# Altium PCB V5_BASE_X1.PcbDoc (part 1 of 2)
Units mm, origin at the board's own origin, x right, y up, seen from the top; angles counter-clockwise.
Board outline 72 x 39 mm, 6 copper layers (Top Layer, S1, POWER, GND, S2, Bottom Layer), stack 1.177 mm thick; 115 components, 155 nets, 600 pads, 352 vias.
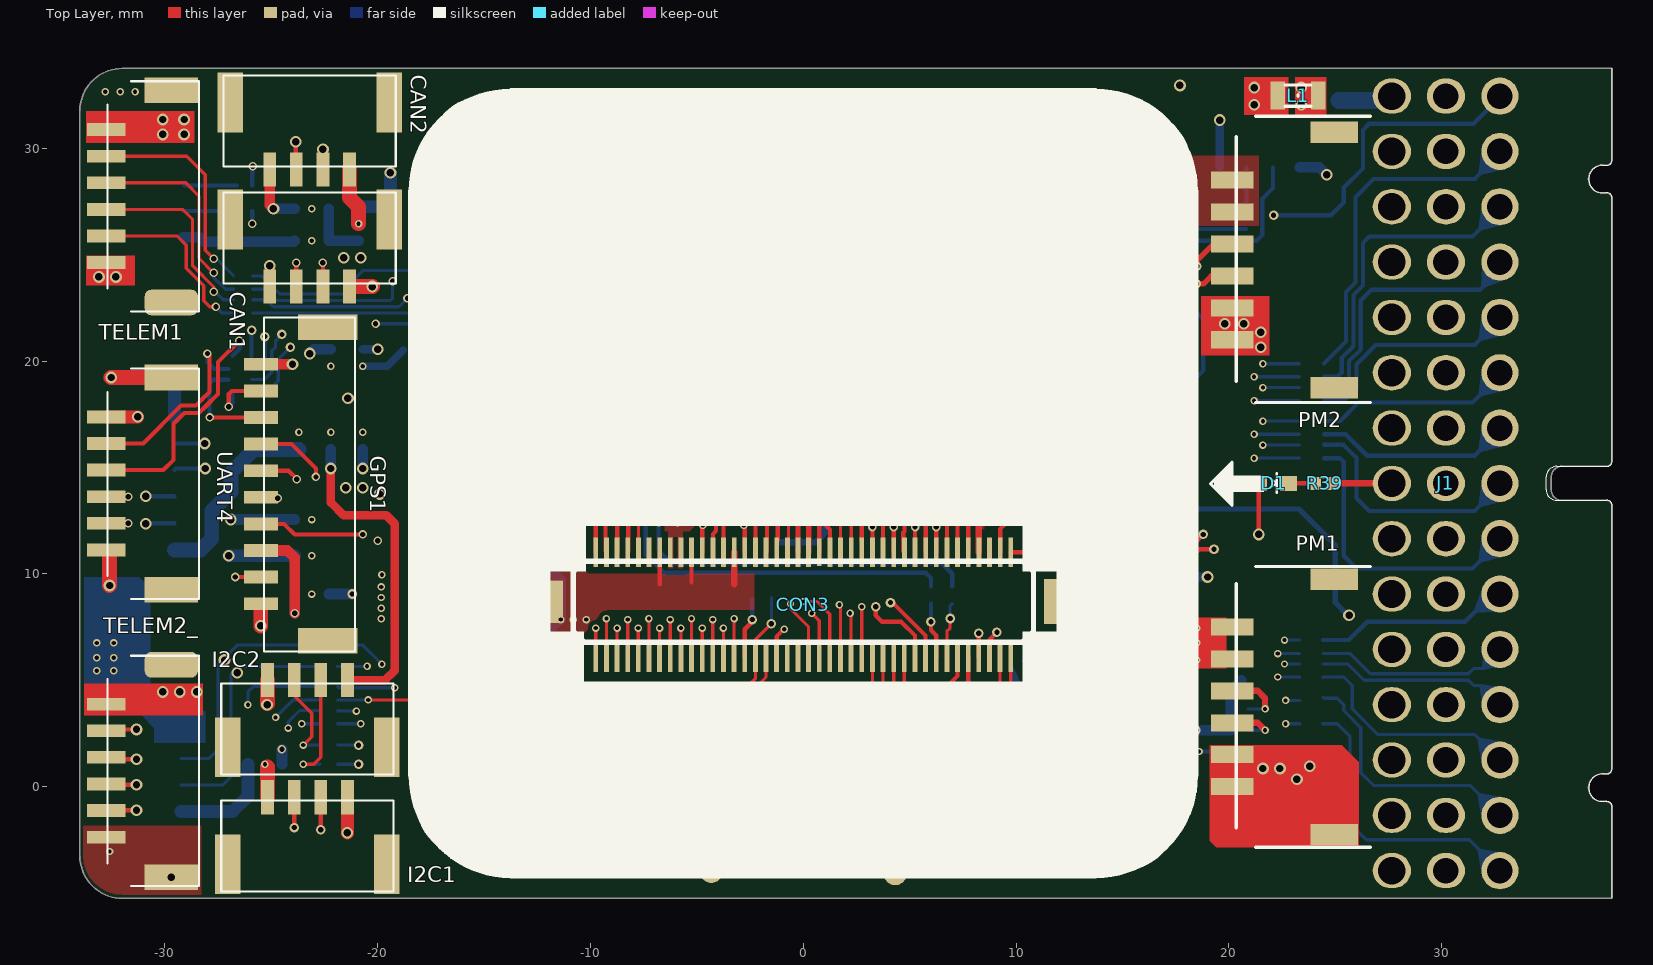
[diagram p0: Top Layer view]
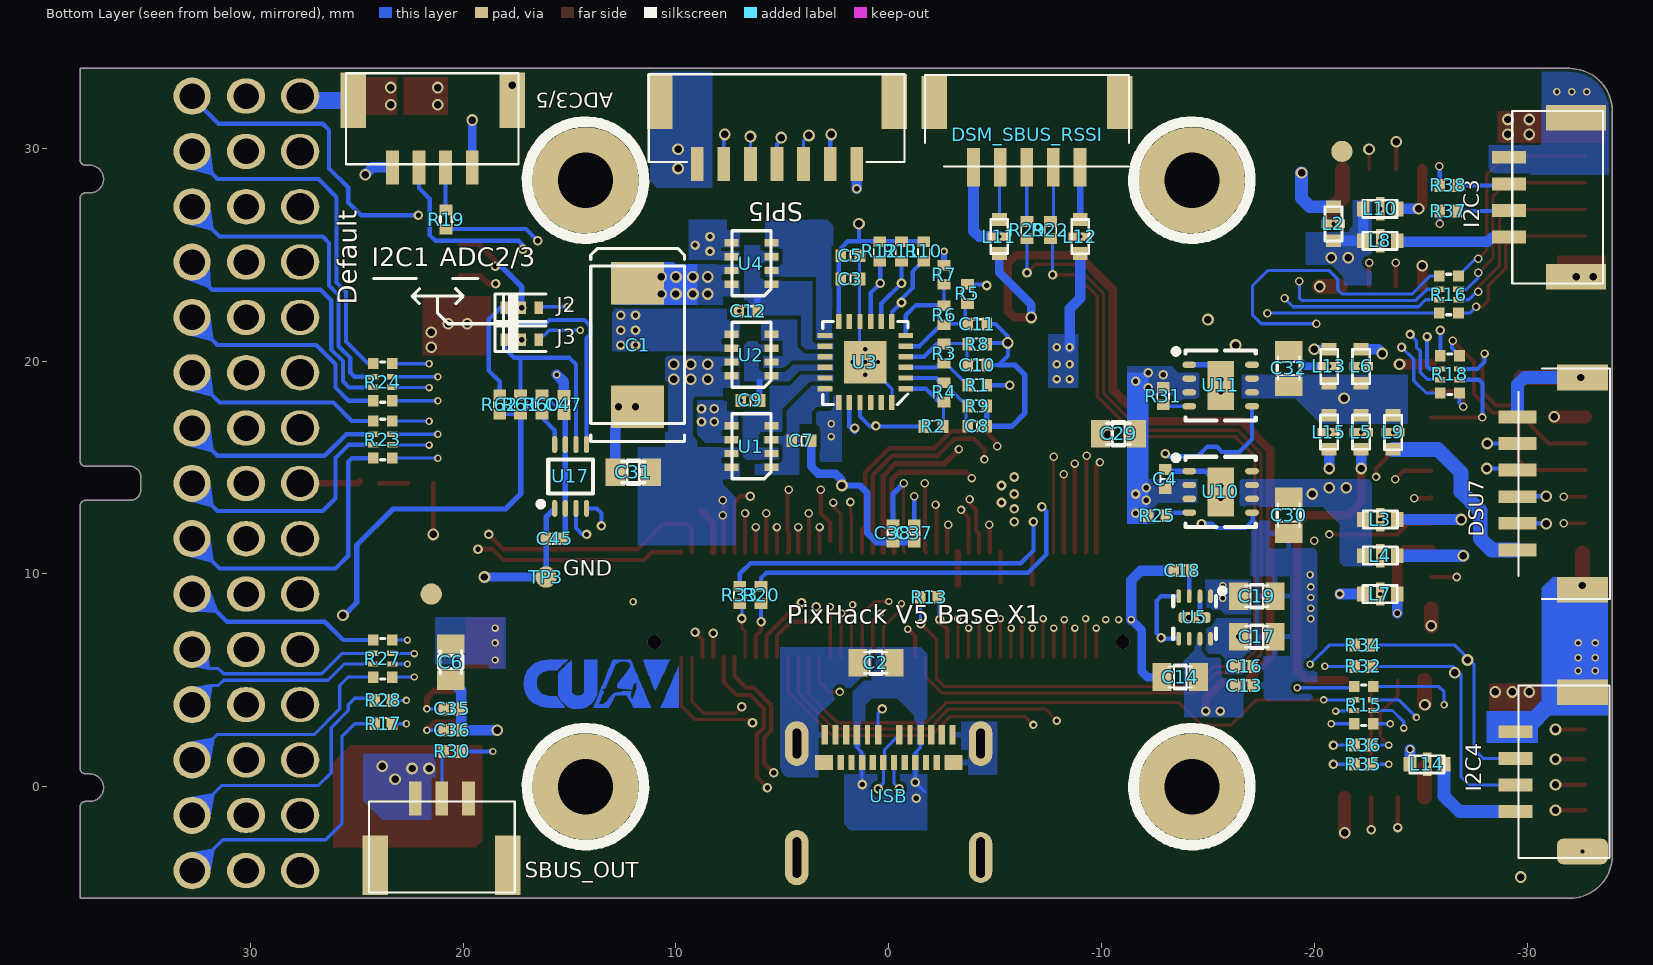
[diagram p1: Bottom Layer view, seen from below]
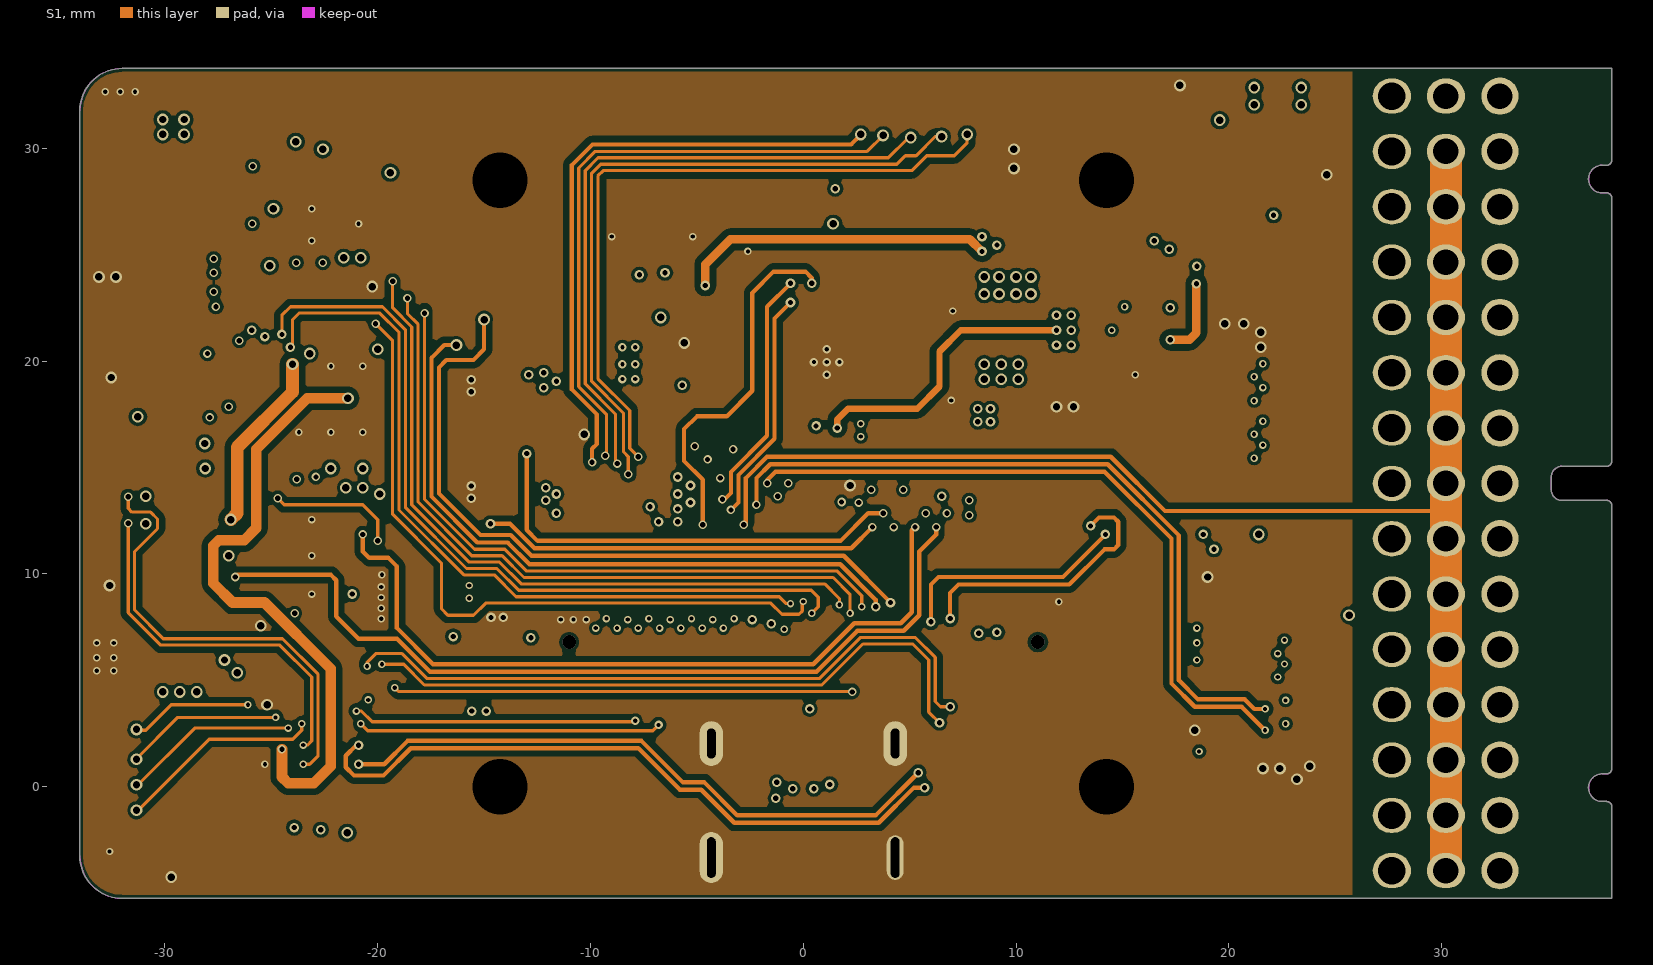
[diagram p2: S1]
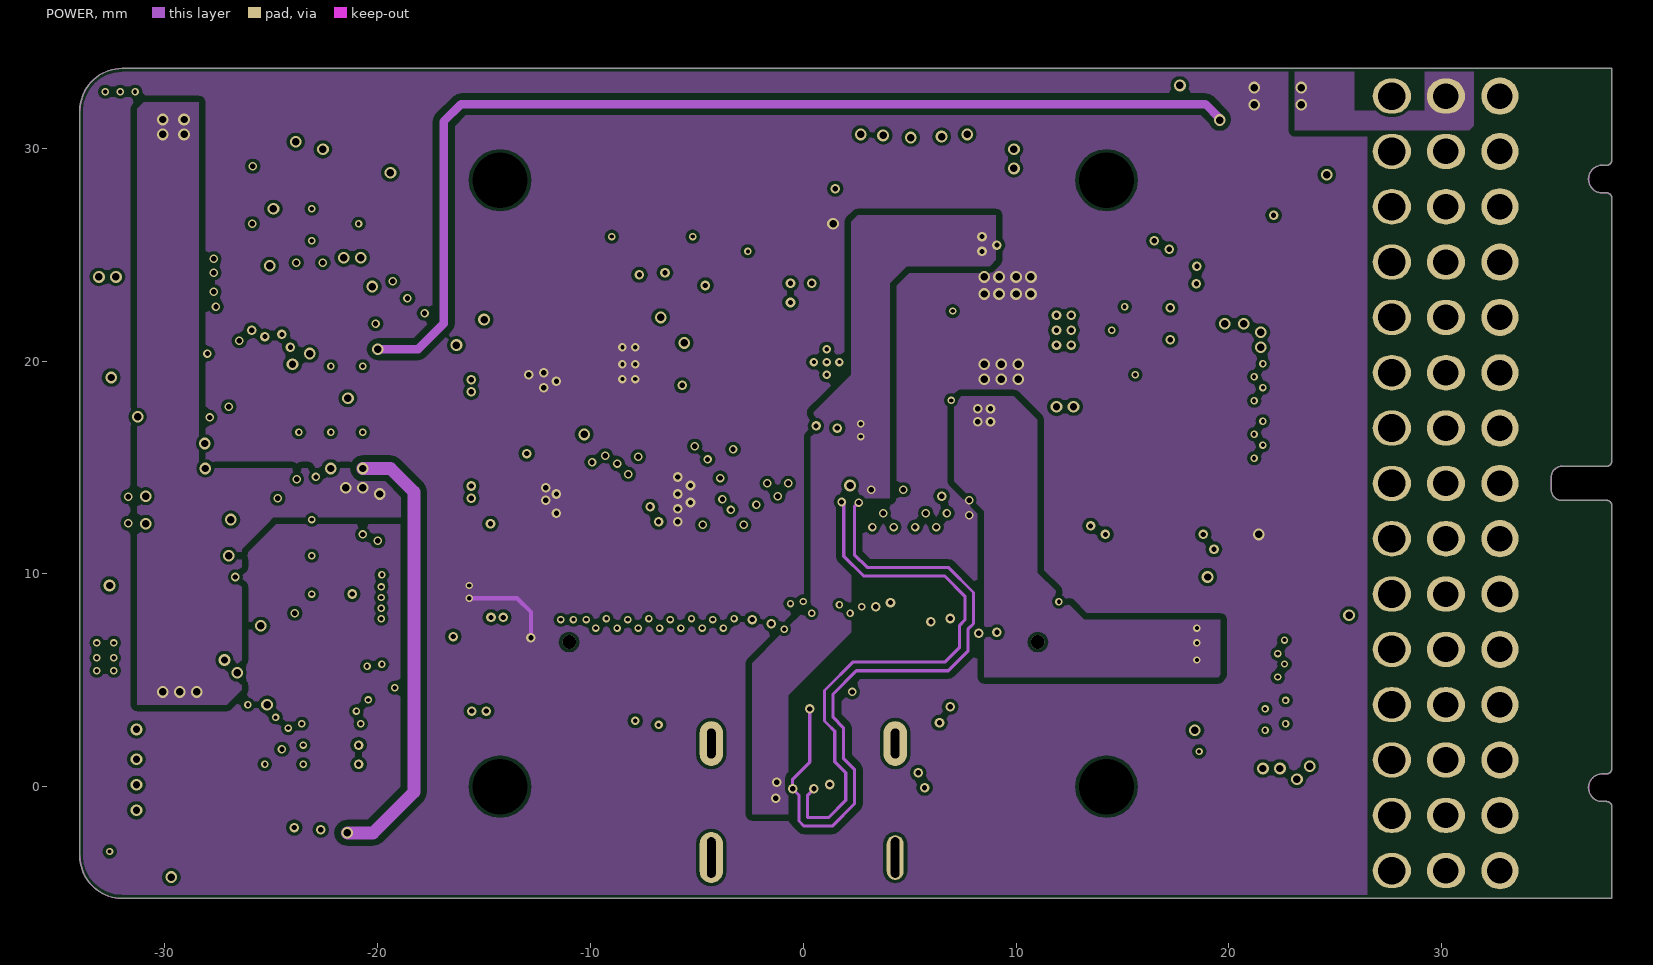
[diagram p3: POWER]
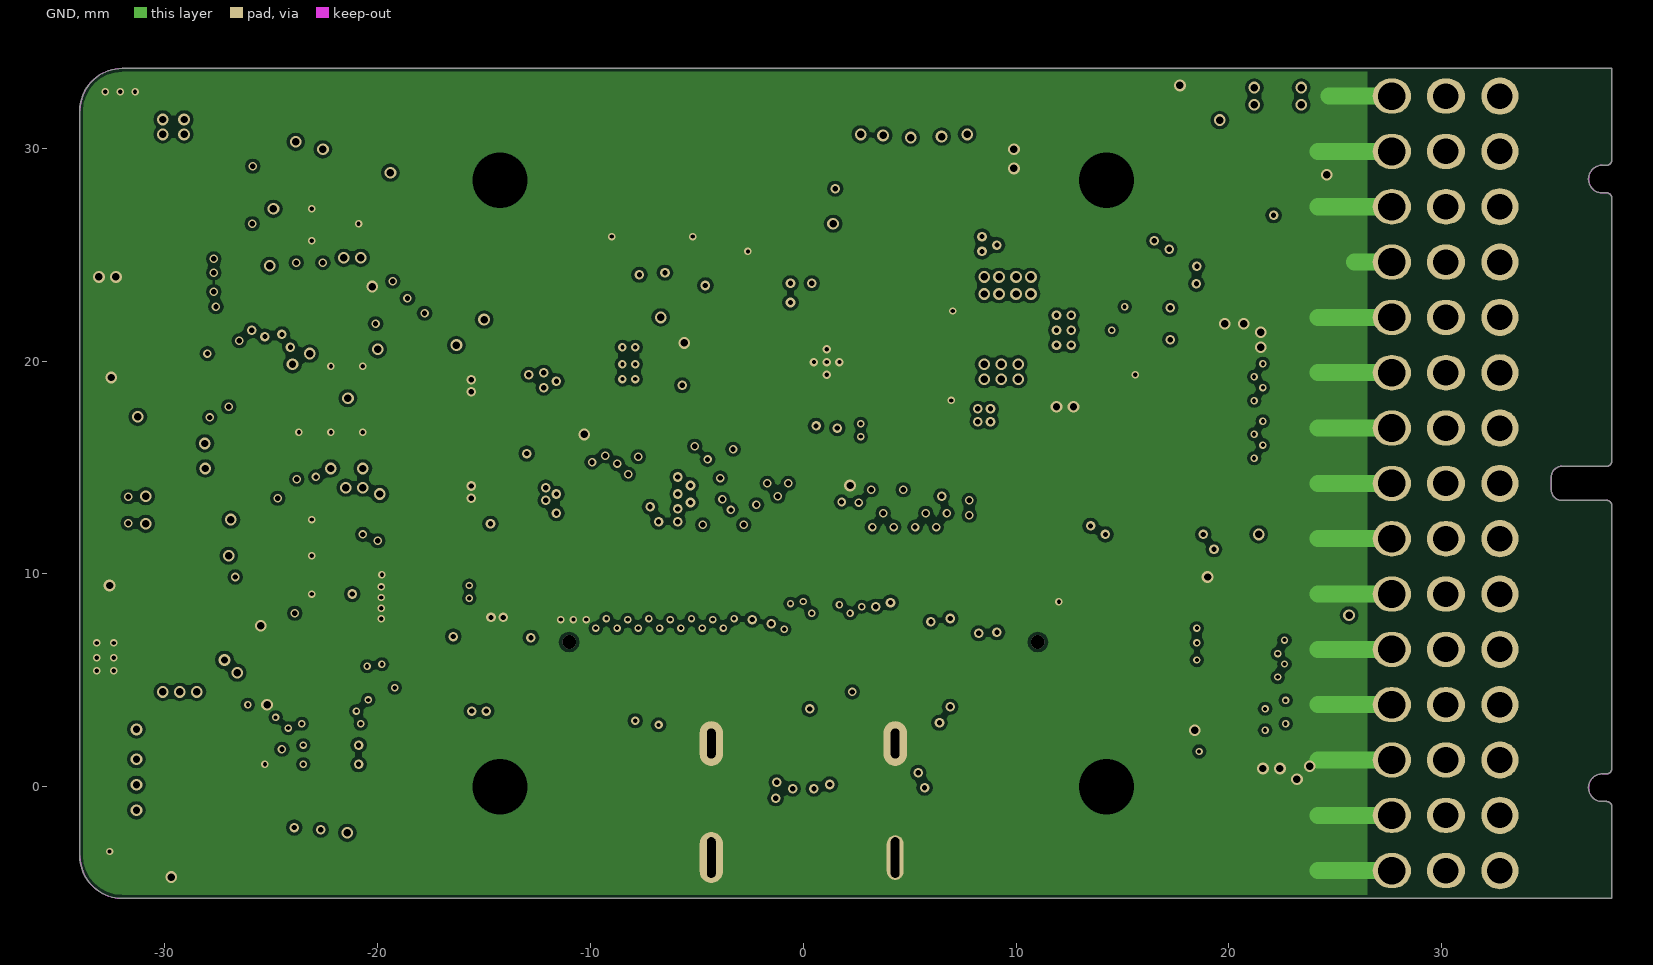
[diagram p4: GND]
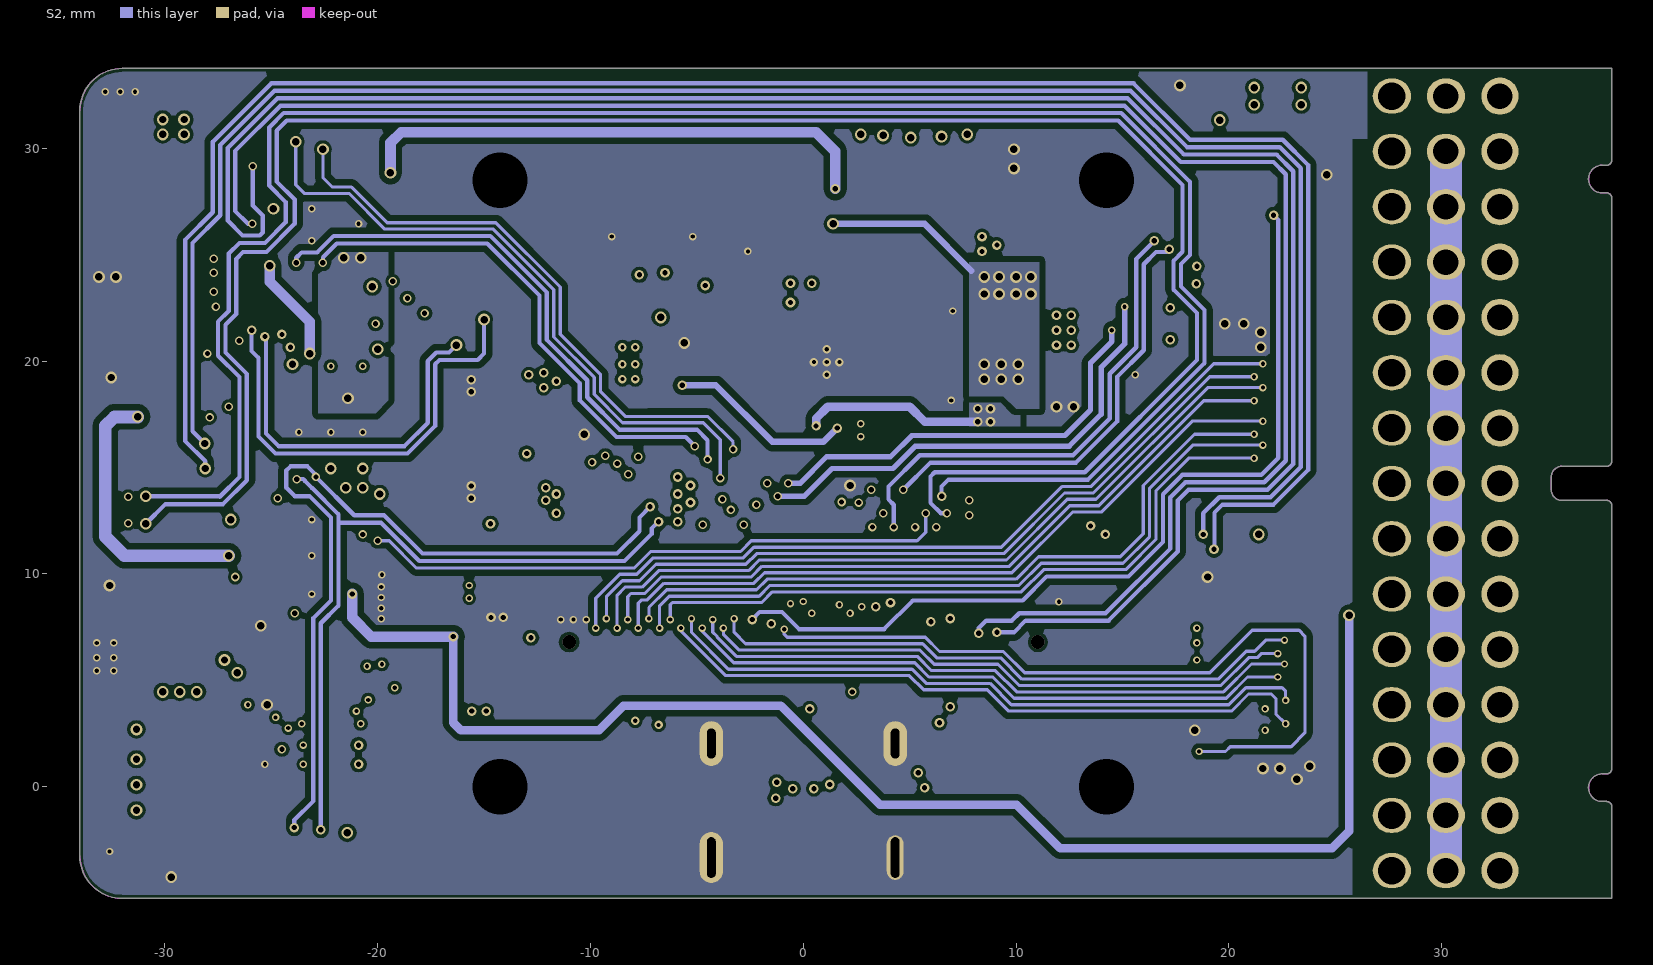
[diagram p5: S2]
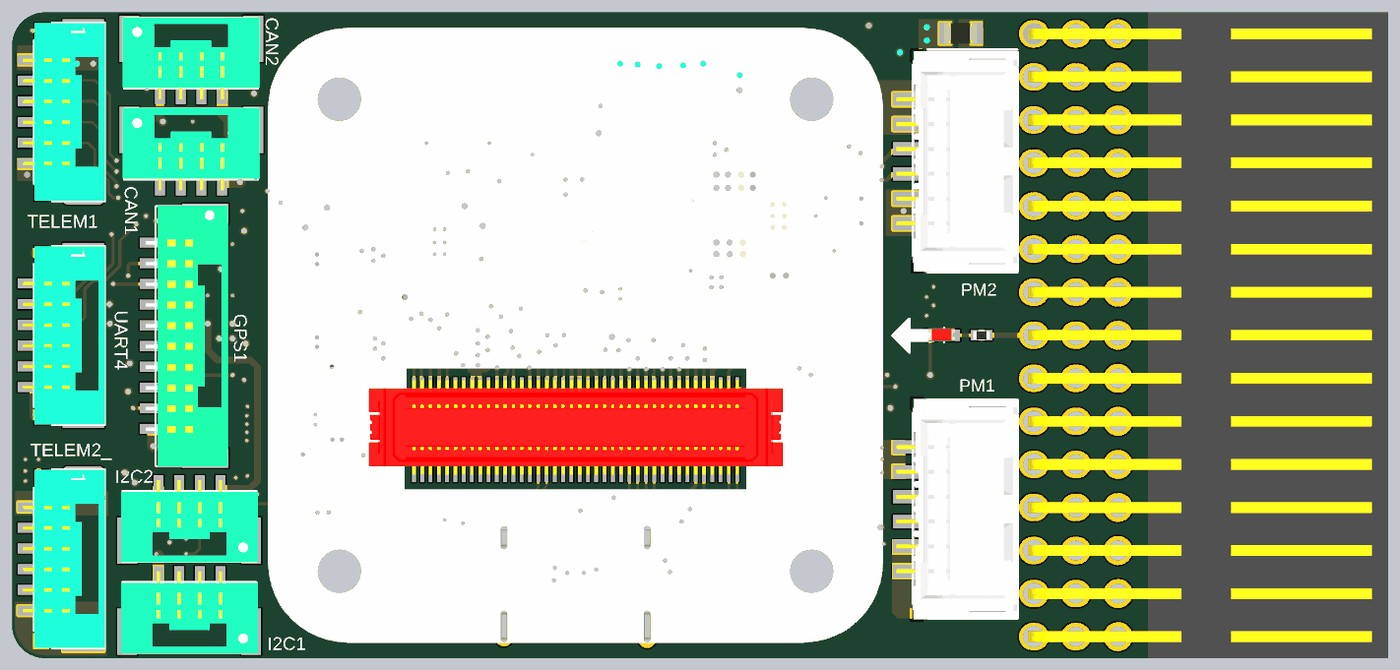
[diagram p7: 3D render of the assembled board from above, using the file's embedded part models]
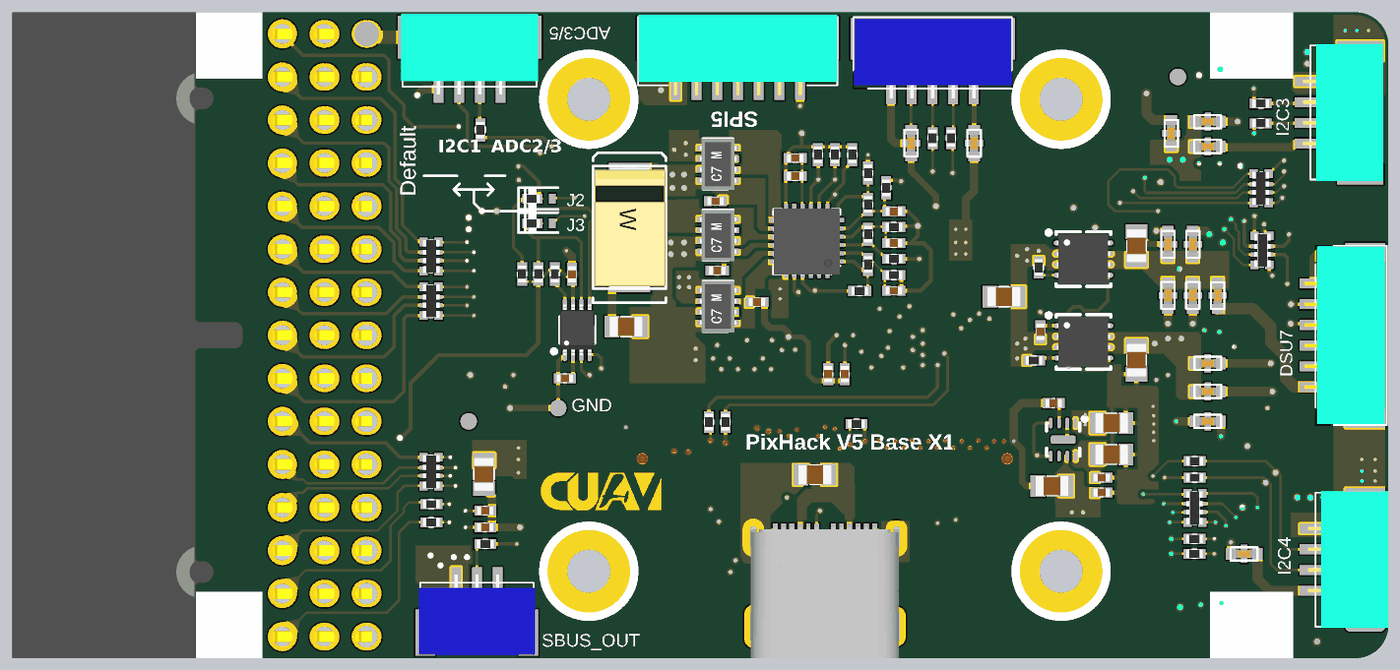
[diagram p8: 3D render of the assembled board from below, using the file's embedded part models]

## Layer stack, top to bottom
Top Solder: solder mask 0.0102, Solder Resist, Dk 3.5
Top Layer: signal copper 0.0356
Dielectric 1: core 0.2, FR-4, Dk 4.2
S1: signal copper 0.036
Dielectric 5: prepreg 0.127, Dk 4.2
POWER: signal copper 0.036
Dielectric 7: core 0.254, Dk 4.2
GND: signal copper 0.036
Dielectric 6: prepreg 0.127, Dk 4.2
S2: signal copper 0.036
Dielectric 4: core 0.254, Dk 4.2
Bottom Layer: signal copper 0.0356
Bottom Solder: solder mask 0.0102, Solder Resist, Dk 3.5

## Board outline
-34,-3.25 ccw(c-32,-3.25) -32,-5.25 38,-5.25 38,-0.95 ccw(c37.75,-0.95) 37.75,-0.7 37.55,-0.7 cw(c37.55,-0.05) 37.55,0.6 37.75,0.6 ccw(c37.75,0.85) 38,0.85 38,13.2 ccw(c37.75,13.2) 37.75,13.45 35.65,13.45 cw(c35.65,13.95) 35.15,13.95 35.15,14.55 cw(c35.65,14.55) 35.65,15.05 37.75,15.05 ccw(c37.75,15.3) 38,15.3 38,27.65 ccw(c37.75,27.65) 37.75,27.9 37.55,27.9 cw(c37.55,28.55) 37.55,29.2 37.75,29.2 ccw(c37.75,29.45) 38,29.45 38,33.75 -32,33.75 ccw(c-32,31.75) -34,31.75

## Design rules (kind name [scope] priority, off if disabled: settings)
Clearance [OnLayer('Top Layer')   +OnLayer   ('GND')         +OnLayer   ('S1')+OnLayer   ('S2')     ++OnLayer   ('POWER') vs InPolygon] p1: gap=0.3
Clearance Clearance_2 [OnLayer('Bottom Layer') vs InPolygon] p2: gap=0.2
Clearance Clearance_1 [All] p3: gap=0.15 except(0.2: Arc-Via Track-Via SMDPad-Via THPad-Via Via-Via)
DiffPairsRouting [All] p1: maxlimit=0.254 minlimit=0.15 mostfreqgap=0.254 toplayer_minwidth=0.1 toplayer_maxwidth=0.381 toplayer_prefwidth=0.381 midlayer1_minwidth=0.1 midlayer1_maxwidth=0.381 midlayer1_prefwidth=0.381 midlayer2_minwidth=0.1 midlayer2_maxwidth=0.381 midlayer2_prefwidth=0.381 midlayer3_mingap=0.254 midlayer3_minwidth=0.1 midlayer3_maxwidth=0.381 midlayer3_prefwidth=0.381 midlayer4_mingap=0.254 midlayer4_minwidth=0.1 midlayer4_maxwidth=0.381 midlayer4_prefwidth=0.381 bottomlayer_minwidth=0.1 bottomlayer_maxwidth=0.381 bottomlayer_prefwidth=0.381 maxuncoupledlength=12.7
PlaneConnect [All] p1: planeconnectstyle=Direct reliefexpansion=0.508 reliefentries=4 reliefconductorwidth=0.254 reliefairgap=0.254
PolygonConnect [InNet('3V3_ADC')+InNet('VDD_5V_BRICK')+InNet('VDD_5V_BRICK2')+InNet('VDD_5V_IN')+InNet('VBUS_G')+InNet('VBUS_S')+InNet('VBUS_VS')+InNet('VDD_G')+InNet('VDD_VS')+InNet('5V_OUT1')+InNet('5V_OUT2')+InNet('SERVO_G')+InNet('SERVO_VS') +InNet('D1_3V3')+InNet('D2_3V3')+InNet('IO1_3V3')+InNet('IO2_3V3')+InNet('RC_VCC')+InNet('USB_I2C_VCC')    +InNet('GPS1_VCC')+InNet('GPS2_VCC')+InNet('ADC_VCC')+InNet('3V3_ADC')+InNet('IMU_VCC')+InNet('I2C2_VCC')+InNet('I2C3_VCC')+InNet('SAFE_VCC')      +InNet('S_3V3')      +InNet('VBUS')+InNet('VDD_5V_BRICK')  +InNet('I2C4_VCC')+InNet('I2C3_VCC')+InNet('I2C2_VCC')+InNet('I2C1_VCC')+InNet('DSM_3V3')                       +InNet('VBUS_IN')     +InNet('GND')] p1: connectstyle=Direct reliefconductorwidth=0.254 reliefentries=4 polygonreliefangle="90 Angle" airgapwidth=0.254
PolygonConnect PolygonConnect_1 [OnMultiLayer] p2: connectstyle=Direct reliefconductorwidth=0.254 reliefentries=4 polygonreliefangle="90 Angle" airgapwidth=0.254
PolygonConnect PolygonConnect_2 [All] p3: connectstyle=Relief reliefconductorwidth=0.254 reliefentries=4 polygonreliefangle="90 Angle" airgapwidth=0.254
RoomDefinition 04_POWER_LDO [InComponentClass('04_POWER_LDO')] p1: confinementstyle=ConfineIn formatcopy=TRUE lockcomponents=FALSE outline 39.163,-3.714 72.863,-3.714 72.863,1.286 39.163,1.286
RoomDefinition 06_PWM_IO [InComponentClass('06_PWM_IO')] p2: confinementstyle=ConfineIn formatcopy=TRUE lockcomponents=FALSE outline -61.689,32.232 -39.083,32.232 -39.083,-8.408 -61.689,-8.408
RoomDefinition 10_Data_Translator [InComponentClass('10_Data_Translator')] p3: confinementstyle=ConfineIn formatcopy=TRUE lockcomponents=FALSE outline -125.236,-51.214 -74.436,-51.214 -74.436,-25.814 -125.236,-25.814
RoomDefinition 07_I2C_Translator [InComponentClass('07_I2C_Translator')] p4: confinementstyle=ConfineIn formatcopy=TRUE lockcomponents=FALSE outline 39.122,-3.812 123.501,-3.812 123.501,2.288 39.122,2.288
RoomDefinition 03_Power_Switch [InComponentClass('03_Power_Switch')] p5: confinementstyle=ConfineIn formatcopy=TRUE lockcomponents=FALSE outline 39.163,-3.714 141.263,-3.714 141.263,7.186 39.163,7.186
RoomDefinition 02_B_TO_B_CON [InComponentClass('02_B_TO_B_CON')] p6: confinementstyle=ConfineIn formatcopy=TRUE lockcomponents=FALSE outline -39.263,32.214 -46.263,32.214 -46.263,4.715 -39.263,4.715
RoomDefinition 05_DATA_IO [InComponentClass('05_DATA_IO')] p7: confinementstyle=ConfineIn formatcopy=TRUE lockcomponents=FALSE outline -39.163,32.214 -66.263,32.214 -66.263,19.114 -39.163,19.114
RoomDefinition 01_Power_IN [InComponentClass('01_Power_IN')] p8: confinementstyle=ConfineIn formatcopy=TRUE lockcomponents=FALSE outline -38.764,31.714 -58.764,31.714 -58.764,14.714 -38.764,14.714
RoutingVias [All] p1: holewidth=0.711 width=1.27 viastyle="Through Hole" minholewidth=0.711 minwidth=1.27 maxholewidth=0.711 maxwidth=1.27
SolderMaskExpansion [All] p1: expansion=0.102
Width [All] p1: maxlimit=5 minlimit=0.1 preferedwidth=0.125 toplayer_maxwidth=2 midlayer1_maxwidth=2 midlayer2_maxwidth=2 bottomlayer_maxwidth=2 minimp=50.000000 maximp=50.000000 favimp=50.000000
28 further rules are at their usual default settings.

## Classes and differential pairs
component class 07_I2C_Translator: C45 C47 R32 R34 R35 R36 R37 R38 R60 R61 R62 U17
component class 06_PWM_IO: J1 L1 R13 R17 R23 R24 R27 R28
component class 01_Power_IN: C29 C30 C31 C32 C35 C36 C37 C38 J2 J3 PM1 PM2 R25 R31 U10 U11
component class 05_DATA_IO: ADC3/5 AUX_PWM CAN1 CAN2 DSM_SBUS_RSSI DSU7 GPS1 I2C1 I2C2 I2C3 I2C4 L2 L3 L4 L5 L6 L7 L8 L9 L10 L12 L13 L14 L15 R19 R22 R29 R30 SBUS_OUT SPI5 TELEM1 TELEM2_ UART4 USB
component class 02_B_TO_B_CON: CON3 "PixHack V5 Base X1" TP3
component class 03_Power_Switch: C1 C2 C3 C4 C5 C6 C7 C8 C9 C10 C11 C12 R1 R2 R3 R4 R5 R6 R7 R8 R9 R10 R11 R12 U1 U2 U3 U4
component class 10_Data_Translator: R15 R16 R18
component class 04_POWER_LDO: C13 C14 C15 C16 C17 C18 C19 D1 R39 U5
differential pair USB_D: +USB_D_P -USB_D_N

## Components (designator, comment, footprint, x,y, rotation, side; value= is the part's Value field where it differs from the comment)
ADC3/5 "SM04B-GHMG-TB" SM04B-GHS-DC#1 21.5,31.35 r0 bottom
C1 "47UF 16V" 7343CAP 11.8,20.75 r270 bottom
C2 "22UF" 0805CAP#1 0.6,5.85 r180 bottom
C3 "10nf" 0402CAP#1 1.8,23.85 r0 bottom
C4 "100nf" 0402CAP#1 -13,14.45 r270 bottom
C5 "100nf" 0402CAP#1 1.8,24.95 r0 bottom
C6 "22UF" 0805CAP#1 20.6,5.85 r90 bottom
C7 "100nf" 0402CAP#1 4.1,16.25 r180 bottom
C8 "22NF" 0402CAP#1 -4.161,16.936 r180 bottom
C9 "100nf" 0402CAP#1 6.5,18.15 r0 bottom
C10 "47NF" 0402CAP#1 -4.161,19.811 r180 bottom
C11 "22NF" 0402CAP#1 -4.161,21.736 r180 bottom
C12 "100nf" 0402CAP#1 6.6,22.35 r0 bottom
C13 "100NF" 0402CAP#2 -16.7,4.75 r180 bottom
C14 "47uf/16V" 0805CAP#2 -13.7,5.15 r0 bottom
C16 "100NF" 0402CAP#2 -16.7,5.65 r0 bottom
C17 "47uf/16V" 0805CAP#2 -17.3,7.05 r180 bottom
C18 "100NF" 0402CAP#2 -13.8,10.15 r0 bottom
C19 "47uf/16V" 0805CAP#2 -17.3,8.95 r180 bottom
C29 "47uf/16V" 0805CAP#1 -10.8,16.55 r0 bottom
C30 "47uf/16V" 0805CAP#2 -18.8,12.75 r270 bottom
C31 "47uf/16V" 0805CAP#1 12,14.75 r0 bottom
C32 "47uf/16V" 0805CAP#2 -18.8,19.65 r90 bottom
C35 "0402C10NF" 0402C 20.5,3.65 r180 bottom
C36 "0402C10NF" 0402C 20.5,2.65 r180 bottom
C37 "0402C10NF" 0402C -1.2,11.9 r90 bottom
C38 "0402C10NF" 0402C -0.2,11.9 r90 bottom
C45 "100nf" 0402CAP#2 15.7,11.65 r180 bottom
C47 "100nf" 0402CAP#1 15.264,17.936 r270 bottom
CAN1 "BM04B-GHMG-TB" BM04B-GHS_DC -23.25,25.75 r180 top
CAN2 "BM04B-GHMG-TB" BM04B-GHS_DC -23.25,31.25 r180 top
CON3 "DF17(3.0H)-80DS-0.5V(57)" DF17(3.0H)-80DS-0.5V(57) 0,8.7 r0 top locked
D1 "0603_LED_Purple" 0603-LED-RED 22.1,14.25 r0 top
DSM_SBUS_RSSI "SM05B-GHS-TB" BM05B-GHS-TBT -6.5,30.35 r0 bottom
DSU7 "SM06B-GHS-TB" SM06B-GHS-DC -30.8,14.25 r90 bottom
GPS1 "BM10B-GHS" BM10B-GHS -24.5,14.25 r270 top
I2C1 "BM04B-GHMG-TB" BM04B-GHS_DC -23.25,-2.75 r0 top
I2C2 "BM04B-GHMG-TB" BM04B-GHS_DC -23.25,2.75 r0 top
I2C3 "SM04B-GHMG-TB" SM04B-GHS-DC#2 -31.4,27.75 r90 bottom
I2C4 "SM04B-GHMG-TB" SM04B-GHS-DC#3 -31.7,0.75 r90 bottom
J1 "v5_IO" V5_IO_PWM 30.2,14.25 r270 top locked
J2 "0402R0R" 0402R-SR 17.25,22.5 r180 bottom
J3 "0402R0R" 0402R-SR 17.25,21 r180 bottom
L1 "MF-PSMF050X-2" 0805l 23.25,32.5 r180 top
L2 "KNH16C104DA5TS" KNH16 -20.9,26.45 r270 bottom
L3 "KNH16C104DA5TS" KNH16 -23.1,12.55 r180 bottom
L4 "KNH16C104DA5TS" KNH16 -23.1,10.85 r180 bottom
L5 "KNH16C104DA5TS" KNH16 -22.2,16.65 r90 bottom
L6 "KNH16C104DA5TS" KNH16 -22.2,19.75 r270 bottom
L7 "KNH16C104DA5TS" KNH16 -23.1,9.05 r0 bottom
L8 "KNH16C104DA5TS" KNH16 -23.1,25.65 r0 bottom
L9 "KNH16C104DA5TS" KNH16 -23.7,16.65 r270 bottom
L10 "KNH16C104DA5TS" KNH16 -23.1,27.15 r0 bottom
L11 "KNH16C104DA5TS" KNH16 -5.2,25.85 r90 bottom
L12 "KNH16C104DA5TS" KNH16 -9,25.85 r270 bottom
L13 "KNH16C104DA5TS" KNH16 -20.7,19.75 r270 bottom
L14 "KNH16C104DA5TS" KNH16 -25.3,1.05 r0 bottom
L15 "KNH16C104DA5TS" KNH16 -20.7,16.65 r90 bottom
"PixHack V5 Base X1" "CUAV" CUAV_G 13.478,4.65 r180 bottom
PM1 "505405-0670" 5054050660#1 22.25,3.75 r270 top locked
PM2 "505405-0670" 5054050660#2 22.25,24.75 r270 top
R1 "309k" R0402 -4.161,18.861 r180 bottom
R2 "453K" R0402 -2.1,16.925 r0 bottom
R3 "24.9k" R0402 -2.6,20.35 r270 bottom
R4 "56K" R0402 -2.6,18.525 r270 bottom
R5 "453K" R0402 -3.7,23.15 r90 bottom
R6 "56K" R0402 -2.6,22.15 r270 bottom
R7 "105k" R0402 -2.6,24.05 r270 bottom
R8 "75k" R0402 -4.161,20.786 r0 bottom
R9 "105k" R0402 -4.161,17.886 r0 bottom
R10 "1M" R0402 -1.65,25.15 r270 bottom
R11 "1M" R0402 -0.6,25.15 r270 bottom
R12 "1M" R0402 0.425,25.15 r270 bottom
R13 "220R/NC" 0402R#1 -1.9,8.9 r180 bottom
R15 "0402R4P100R" 0402_4r -22.3,3.85 r270 bottom
R16 "0402R4P100R" 0402_4r -26.3,23.15 r270 bottom
R17 "0402R100R" 0402R#1 23.75,2.95 r0 bottom
R18 "0402R4P100R" 0402_4r -26.4,19.35 r90 bottom
R19 "0402R1K" 0402R#2 20.8,26.65 r90 bottom
R20 "0402R100R" 0402R#1 6,9 r90 bottom
R22 "0402R100R" 0402R#1 -7.6,26.15 r90 bottom
R23 "0402R4P100R" 0402_4r 23.75,16.286 r90 bottom
R24 "0402R4P100R" 0402_4r 23.75,18.986 r90 bottom
R25 "0402R10K" 0402R#1 -12.615,12.725 r0 bottom
R27 "100R" 0402_4r 23.75,5.986 r90 bottom
R28 "0402R100R" 0402R#1 23.75,4.05 r0 bottom
R29 "0402R100R" 0402R#1 -6.5,26.15 r90 bottom
R30 "0402R100R" 0402R#1 20.5,1.65 r0 bottom
R31 "0402R10K" 0402R#1 -12.9,18.35 r90 bottom
R32 "0402R100R" 0402R#1 -22.31,5.65 r180 bottom
R33 "0402R100R" 0402R#1 7,9 r90 bottom
R34 "0402R100R" 0402R#1 -22.31,6.65 r180 bottom
R35 "0402R100R" 0402R#1 -22.3,1.05 r180 bottom
R36 "0402R100R" 0402R#1 -22.3,1.95 r180 bottom
R37 "0402R100R" 0402R#1 -26.3,27.05 r180 bottom
R38 "0402R100R" 0402R#1 -26.3,28.25 r180 bottom
R39 "0402R1K" 0402R#1 24.5,14.25 r0 top
R60 "0402R100K" 0402R#2 16.3,17.95 r90 bottom
R61 "0402R4.7K" 0402R#2 17.3,17.95 r270 bottom
R62 "0402R4.7K" 0402R#2 18.275,17.95 r270 bottom